# KiCad board nora.kicad_pcb (continued)
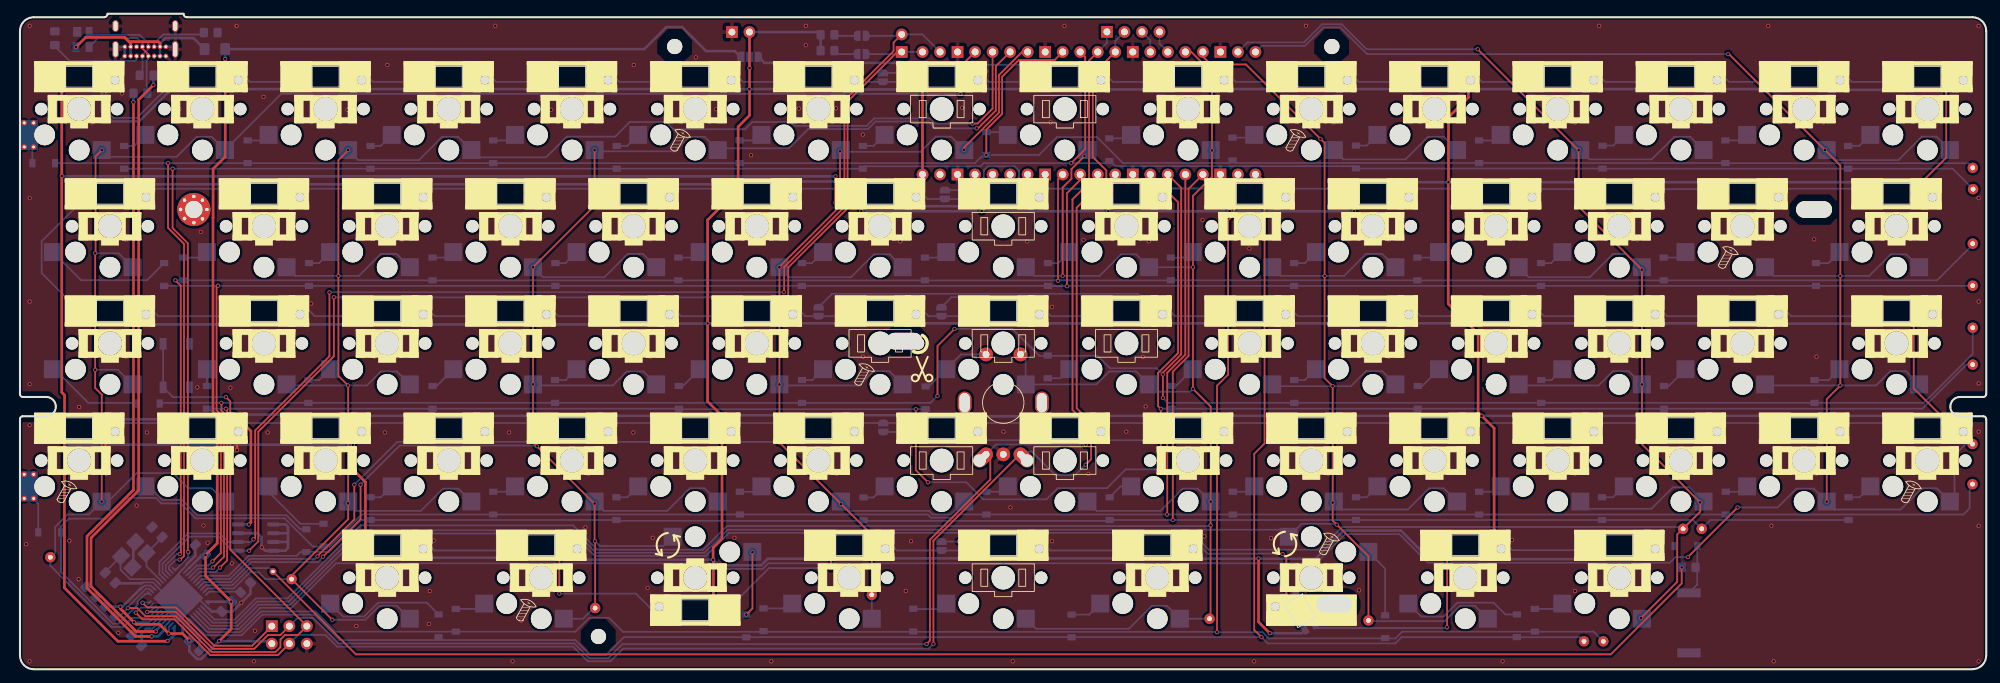
[diagram p0: board, top side]
## Placement (name value [footprint] x y rotation side) (continued)
SW_57  J  [Kailh-PG1350-1u-MBK-WithKeyName-Socket-1.8mm-hole-reflection]  196.1 47.27 0 top
SW_58  M  [Kailh-PG1350-1u-MBK-WithKeyName-Socket-1.8mm-hole-reflection]  205.03 30.27 0 top
SW_59  RALT  [Kailh-PG1350-1u-MBK-WithKeyName-Socket-1.8mm-hole-reflection]  209.5 13.27 0 top
SW_60  8  [Kailh-PG1350-1u-MBK-WithKeyName-Socket-1.8mm-hole-reflection]  222.89 81.27 0 top
SW_61  I  [Kailh-PG1350-1u-MBK-WithKeyName-Socket-1.8mm-hole-reflection]  213.96 64.27 0 top
SW_62  K  [Kailh-PG1350-1u-MBK-WithKeyName-Socket-1.8mm-hole-reflection]  213.96 47.27 0 top
SW_63  <  [Kailh-PG1350-1u-MBK-WithKeyName-Socket-1.8mm-hole-reflection]  222.89 30.27 0 top
SW_64  RGUI 1.5u  [Kailh-PG1350-1.5u-MBK-WithKeyName-Socket-1.8mm-hole-reflection]  231.82 13.27 0 top
SW_65  9  [Kailh-PG1350-1u-MBK-WithKeyName-Socket-1.8mm-hole-reflection]  240.75 81.27 0 top
SW_66  O  [Kailh-PG1350-1u-MBK-WithKeyName-Socket-1.8mm-hole-reflection]  231.82 64.27 0 top
SW_67  L  [Kailh-PG1350-1u-MBK-WithKeyName-Socket-1.8mm-hole-reflection]  231.82 47.27 0 top
SW_68  >  [Kailh-PG1350-1u-MBK-WithKeyName-Socket-1.8mm-hole-reflection]  240.75 30.27 0 top
SW_70  0  [Kailh-PG1350-1u-MBK-WithKeyName-Socket-1.8mm-hole-reflection]  258.61 81.27 0 top
SW_71  P  [Kailh-PG1350-1u-MBK-WithKeyName-Socket-1.8mm-hole-reflection]  249.68 64.27 0 top
SW_72  -  [Kailh-PG1350-1u-MBK-WithKeyName-Socket-1.8mm-hole-reflection]  249.68 47.27 0 top
SW_73  /  [Kailh-PG1350-1u-MBK-WithKeyName-Socket-1.8mm-hole-reflection]  258.61 30.27 0 top
SW_75  =  [Kailh-PG1350-1u-MBK-WithKeyName-Socket-1.8mm-hole-reflection]  276.47 81.27 0 top
SW_76  BS 1.5u  [Kailh-PG1350-1.5u-MBK-WithKeyName-Socket-1.8mm-hole-reflection]  272.01 64.27 0 top
SW_77  Enter 1.5u  [Kailh-PG1350-1.5u-MBK-WithKeyName-Socket-1.8mm-hole-reflection]  272.01 47.27 0 top
SW_78  RSFT  [Kailh-PG1350-1u-MBK-WithKeyName-Socket-1.8mm-hole-reflection]  276.47 30.27 0 top
U1  ATmega32U4-MU  [QFN-44-1EP_7x7mm_P0.5mm_EP5.15x5.15mm]  22.95 10.32 45 bottom
U2  24LC64  [SO-8_3.9x4.9mm_P1.27mm]  34.15 19.1 180 bottom
U4  Pico  [RPi_Pico_TH_no_NPTH_SWD_less_Silk_NoCrtYd]  154.95 80.67 270 bottom
Y1  16MHz  [Crystal_SMD_3225-4Pin_3.2x2.5mm_HandSoldering]  16.5 16.62 225 bottom

## Library data of the parts
C1 = -: LCSC: C15850
C2 C3 = -: LCSC: C1804
C4 C5 C7 = -: LCSC: C49678
C6 = -: LCSC: C28323
D1 D2 D4-D7 D9 D11-D23 D25-D33 D35-D68 D70-D73 D75-D78 D99 = -: LCSC: C81598
D10 = -: LCSC: C12333
F1 = -: LCSC: C70076
R1 R2 = -: LCSC: C27834
R3 R4 = -: LCSC: C17561
R5 R6 = -: LCSC: C17414
R7 = -: LCSC: C17513
R8 R9 = -: LCSC: C17673
SW_37 SW_47 = -: Field4: RE→×
U1 = -: Alternative LCSC: C45874; LCSC: C112161
U2 = -: Alternative LCSC: C6487, C116707, C13645; LCSC: C79988
U4 = -: Field4: Copper Keepouts shown on Dwgs layer
Y1 = -: LCSC: C13738

## Footprints (pads in the part's own frame, mm; a bottom-side part is the same pattern mirrored in y, then rotated)
60_Outline-TinyHole_No_Hole3
  oval 5.2x2.4 hole 5.2x2.4 unplated: (-14.3,0.3) (48,-37.9) (117.55,19.4)
  round 1 hole 0.5: 1(-119.2,19.4) 1(-118.65,20.75) 1(-118.65,18.1) 1(-117.3,21.3) 1(-117.3,17.5) 1(-116.05,20.75) 1(-116.05,18.05) 1(-115.4,19.4)
  round 4.8 hole 2.499: 1(-117.3,19.4)
Buzzer_Murata_PKMCS0909E4000-R1
  rect 1.3x3.4 smd: 1(-4.35,0) 2(4.35,0)
C_0805_2012Metric_Pad1.18x1.45mm_HandSolder
  rrect 1.175x1.45 smd: 1(-1.038,0) 2(1.038,0)
Crystal_SMD_3225-4Pin_3.2x2.5mm_HandSoldering
  rect 2.1x1.8 smd: 1(-1.45,-1.15) 2(1.45,-1.15) 3(1.45,1.15) 4(-1.45,1.15)
D_SOD-123-Pretty_No_Reference
  rect 0.9x1.2 smd: 1(-1.65,0) 2(1.65,0)
Fuse_1206_3216Metric_Pad1.42x1.75mm_HandSolder
  rrect 1.425x1.75 smd: 1(-1.488,0) 2(1.488,0)
Kailh-PG1350-1.5u-MBK-WithKeyName-Socket-1.8mm-hole-reflection
  round 1.8 hole 1.8 unplated: (-5.5,0) (5.5,0)
  round 3 hole 3 unplated: (-5,-3.75) (0,-5.95)
  round 3.4 hole 3.4 unplated: (0,0)
  round 1.2 hole 1.2 unplated: (5.22,4.2)
  rect 2.6x2.6 smd far side: 1(3.275,-5.95) 2(-8.275,-3.75)
Kailh-PG1350-1.5u-MBK-WithKeyName-Socket-1.8mm-hole-reflection-frame-only
  round 1.8 hole 1.8 unplated: (-5.5,0) (5.5,0)
  round 3 hole 3 unplated: (-5,-3.75) (0,-5.95)
  round 3.4 hole 3.4 unplated: (0,0)
  round 1.2 hole 1.2 unplated: (5.22,4.2)
  rect 2.6x2.6 smd far side: 1(3.275,-5.95) 2(-8.275,-3.75)
Kailh-PG1350-1u-MBK-WithKeyName-Socket-1.8mm-hole-reflection
  round 1.8 hole 1.8 unplated: (-5.5,0) (5.5,0)
  round 3 hole 3 unplated: (-5,-3.75) (0,-5.95)
  round 3.429 hole 3.429 unplated: (0,0)
  round 1.2 hole 1.2 unplated: (5.22,4.2)
  rect 2.6x2.6 smd far side: 1(3.275,-5.95) 2(-8.275,-3.75)
Kailh-PG1350-1u-MBK-WithKeyName-Socket-1.8mm-hole-reflection-cross-paint
  round 1.8 hole 1.8 unplated: (-5.5,0) (5.5,0)
  round 3 hole 3 unplated: (-5,-3.75) (0,-5.95)
  round 3.429 hole 3.429 unplated: (0,0)
  round 1.2 hole 1.2 unplated: (5.22,4.2)
  rect 2.6x2.6 smd far side: 1(3.275,-5.95) 2(-8.275,-3.75)
Kailh-PG1350-1u-MBK-WithKeyName-Socket-1.8mm-hole-reflection-frame-only
  round 1.8 hole 1.8 unplated: (-5.5,0) (5.5,0)
  round 3 hole 3 unplated: (-5,-3.75) (0,-5.95)
  round 3.429 hole 3.429 unplated: (0,0)
  round 1.2 hole 1.2 unplated: (5.22,4.2)
  rect 2.6x2.6 smd far side: 1(3.275,-5.95) 2(-8.275,-3.75)
Kailh-PG1350-1u-MBK-WithKeyName-Socket-1.8mm-hole-reflection-frame-only#2
  round 3 hole 3 unplated: (-5,-3.75) (0,-5.95)
  round 3.429 hole 3.429 unplated: (0,0)
  round 1.2 hole 1.2 unplated: (5.22,4.2)
  round 1.8 hole 1.8 unplated: (5.5,0)
  rect 2.6x2.6 smd far side: 1(3.275,-5.95) 2(-8.275,-3.75)
Kailh-PG1350-1u-MBK-WithKeyName-Socket-1.8mm-hole-reflection-frame-only#3
  round 1.8 hole 1.8 unplated: (-5.5,0)
  round 3 hole 3 unplated: (-5,-3.75) (0,-5.95)
  round 3.429 hole 3.429 unplated: (0,0)
  round 1.2 hole 1.2 unplated: (5.22,4.2)
  rect 2.6x2.6 smd far side: 1(3.275,-5.95) 2(-8.275,-3.75)
Kailh-PG1350-1u-MBK-WithKeyName-Socket-ForLeftEdge-1.8mm-hole-reflection
  round 1.8 hole 1.8 unplated: (-5.5,0) (5.5,0)
  round 3 hole 3 unplated: (-5,-3.75) (0,-5.95)
  round 3.4 hole 3.4 unplated: (0,0)
  round 1.2 hole 1.2 unplated: (5.22,4.2)
  rect 2.6x2.6 smd far side: 1(3.275,-5.95)
  round 0.8 hole 0.4: 2(-7.96,-1.998) 2(-7.96,-5.498) 2(-6.6,-2) 2(-6.6,-5.5)
  rect 2.1x2.6 smd far side: 2(-7.525,-3.75)
  rect 2.6x4.4 smd far side: 2(-7.275,-3.75)
MountingHole_2.2mm_M2
  round 2.2 hole 2.2 unplated: (0,0)
PinHeader_1x02_P2.54mm_Vertical
  rect 1.7x1.7 hole 1: 1(0,0)
  oval 1.7x1.7 hole 1: 2(0,-2.54)
PinHeader_1x04_P2.54mm_Vertical
  rect 1.7x1.7 hole 1: 1(0,0)
  oval 1.7x1.7 hole 1: 2(0,-2.54) 3(0,-5.08) 4(0,-7.62)
PinHeader_2x03_P2.54mm_Vertical
  rect 1.7x1.7 hole 1: 1(0,0)
  oval 1.7x1.7 hole 1: 2(2.54,0) 3(0,-2.54) 4(2.54,-2.54) 5(0,-5.08) 6(2.54,-5.08)
QFN-44-1EP_7x7mm_P0.5mm_EP5.15x5.15mm
  rrect 1.04x1.04 smd: (-1.935,-1.935) (-1.935,-0.645) (-1.935,0.645) (-1.935,1.935) (-0.645,-0.645) (-0.645,0.645) (-0.645,-1.935) (-0.645,1.935) (0.645,-1.935) (0.645,1.935) (0.645,-0.645) (0.645,0.645) (1.935,-1.935) (1.935,-0.645) (1.935,0.645) (1.935,1.935)
  rrect 0.875x0.25 smd: 1(-3.438,2.5) 2(-3.438,2) 3(-3.438,1.5) 4(-3.438,1) 5(-3.438,0.5) 6(-3.438,0) 7(-3.438,-0.5) 8(-3.438,-1) 9(-3.438,-1.5) 10(-3.438,-2) 11(-3.438,-2.5) 23(3.438,-2.5) 24(3.438,-2) 25(3.438,-1.5) 26(3.438,-1) 27(3.438,-0.5) 28(3.438,0) 29(3.438,0.5) 30(3.438,1) 31(3.438,1.5) 32(3.438,2) 33(3.438,2.5)
  rrect 0.25x0.875 smd: 12(-2.5,-3.438) 13(-2,-3.438) 14(-1.5,-3.438) 15(-1,-3.438) 16(-0.5,-3.438) 17(0,-3.438) 18(0.5,-3.438) 19(1,-3.438) 20(1.5,-3.438) 21(2,-3.438) 22(2.5,-3.438) 34(2.5,3.438) 35(2,3.438) 36(1.5,3.438) 37(1,3.438) 38(0.5,3.438) 39(0,3.438) 40(-0.5,3.438) 41(-1,3.438) 42(-1.5,3.438) 43(-2,3.438) 44(-2.5,3.438)
  rect 5.15x5.15 smd: 45(0,0)
R_0805_2012Metric_Pad1.20x1.40mm_HandSolder
  rrect 1.2x1.4 smd: 1(-1,0) 2(1,0)
RotaryEncoder_Alps_EC11E-Switch_Vertical_H20mm
  oval 3.2x2 hole 2.8x1.5: (0,5.6) (0,-5.6)
  round 2 hole 1.8: A(-8.4,3.43) B(-8.4,-3.44)
  oval 3x2 hole 2x1 rot 135: A(-7.85,2.84)
  oval 3x2 hole 2x1 rot 45: B(-7.85,-2.85)
  round 2 hole 1: C(-7.5,0) S1(7,-2.5) S2(7,2.5)
RPi_Pico_TH_no_NPTH_SWD_less_Silk_NoCrtYd
  oval 1.7x1.7 smd: (-2.54,-23.9) (2.54,-23.9)
  round 1.7 smd: (0,-23.9)
  oval 1.7x1.7 hole 1.02: 1(-8.89,24.13) 2(-8.89,21.59) 4(-8.89,16.51) 5(-8.89,13.97) 6(-8.89,11.43) 7(-8.89,8.89) 9(-8.89,3.81) 10(-8.89,1.27) 11(-8.89,-1.27) 12(-8.89,-3.81) 14(-8.89,-8.89) 15(-8.89,-11.43) 16(-8.89,-13.97) 17(-8.89,-16.51) 19(-8.89,-21.59) 20(-8.89,-24.13) 21(8.89,-24.13) 22(8.89,-21.59) 24(8.89,-16.51) 25(8.89,-13.97) 26(8.89,-11.43) 27(8.89,-8.89) 29(8.89,-3.81) 30(8.89,-1.27) 31(8.89,1.27) 32(8.89,3.81) 34(8.89,8.89) 35(8.89,11.43) 36(8.89,13.97) 37(8.89,16.51) 39(8.89,21.59) 40(8.89,24.13)
  rect 1.7x1.7 hole 1.02: 3(-8.89,19.05) 8(-8.89,6.35) 13(-8.89,-6.35) 18(-8.89,-19.05) 23(8.89,-19.05) 28(8.89,-6.35) 33(8.89,6.35) 38(8.89,19.05)
SO-8_3.9x4.9mm_P1.27mm
  rrect 1.75x0.6 smd: 1(-2.575,1.905) 2(-2.575,0.635) 3(-2.575,-0.635) 4(-2.575,-1.905) 5(2.575,-1.905) 6(2.575,-0.635) 7(2.575,0.635) 8(2.575,1.905)
SolderJumper-2_P1.3mm_Open_RoundedPad1.0x1.5mm
  custom 1x1.5 smd: 1(-0.65,0) 2(0.65,0)
SolderJumper-3_P1.3mm_Open_RoundedPad1.0x1.5mm
  custom 1.05x1.5 smd: 1(-1.3,0) 3(1.3,0)
  rect 1x1.5 smd: 2(0,0)
SOT-143
  rect 1.4x1.2 smd: 1(-1.1,0.77)
  rect 1.4x1 smd: 2(-1.1,-0.95) 3(1.1,-0.95) 4(1.1,0.95)
SW_SPST_TL3342
  rect 1.7x1 smd: 1(-3.15,1.9) 1(3.15,1.9) 2(-3.15,-1.9) 2(3.15,-1.9)
TestPoint_THTPad_D1.0mm_Drill0.5mm
  round 1 hole 0.5: 1(0,0)
TestPoint_THTPad_D1.5mm_Drill0.7mm
  round 1.5 hole 0.7: 1(0,0)
USB_C_Receptacle_GCT_USB4085
  round 0.7 hole 0.4: A1(0,0) A4(0.85,0) A5(1.7,0) A6(2.55,0) A7(3.4,0) A8(4.25,0) A9(5.1,0) A12(5.95,0) B1(5.95,-1.35) B4(5.1,-1.35) B5(4.25,-1.35) B6(3.4,-1.35) B7(2.55,-1.35) B8(1.7,-1.35) B9(0.85,-1.35) B12(0,-1.35)
  oval 0.9x1.7 hole 0.6x1.4: S1(-1.35,-4.36) S1(7.3,-4.36)
  oval 0.9x2.4 hole 0.6x2.1: S1(-1.35,-0.98) S1(7.3,-0.98)
YS-SK6812MINI-E_middle_hole_with_small_pad
  rect 1.431x0.82 smd: 1(2.7,0.75) 2(2.7,-0.75) 3(-2.7,-0.75) 4(-2.7,0.75)
YS-SK6812MINI-E_middle_hole_with_small_pad_frame
  rect 1.431x0.82 smd: 1(2.7,0.75) 2(2.7,-0.75) 3(-2.7,-0.75) 4(-2.7,0.75)
YS-SK6812MINI-E_middle_hole_with_small_pad_reserved
  rect 1.431x0.82 smd: 1(2.7,0.75) 2(2.7,-0.75) 3(-2.7,-0.75) 4(-2.7,0.75)

## Nets
+5V: C1.2 C4.2 C5.2 C7.2 F1.1 J5.2 JP3.3 R5.1 U1.2 U1.7 U1.14 U1.24 U1.34 U1.44
+5V_Source: J4.2 JP3.2 L1.1 L2.1 L3.1 L4.1 L5.1 L6.1 L7.1 L8.1 L9.1 L10.1 L11.1 L12.1 L13.1 L14.1 L15.1 L16.1 L17.1 L18.1 L19.1 L20.1 L21.1 L22.1 L23.1 L24.1 L25.1 L26.1 L27.1 L28.1 L29.1 L30.1 L31.1 L32.1 L33.1 L34.1 L35.1 L36.1 L37.1 L38.1 L39.1 L40.1 L41.1 L42.1 L43.1 L44.1 L45.1 L46.1 L47.1 L48.1 L49.1 L50.1 L51.1 L52.1 L53.1 L54.1 L55.1 L56.1 L57.1 L58.1 L59.1 L60.1 L61.1 L62.1 L63.1 L64.1 L65.1 L66.1 L67.1 L68.1 L69.1 L70.1 L71.1 R8.1 R9.1 U2.8
GND: C1.1 C2.2 C3.2 C4.1 C5.1 C6.2 C7.1 D10.1 D99.2 J1.A1 J1.A12 J1.B1 J1.B12 J1.S1 J4.1 J5.6 L1.3 L2.3 L3.3 L4.3 L5.3 L6.3 L7.3 L8.3 L9.3 L10.3 L11.3 L12.3 L13.3 L14.3 L15.3 L16.3 L17.3 L18.3 L19.3 L20.3 L21.3 L22.3 L23.3 L24.3 L25.3 L26.3 L27.3 L28.3 L29.3 L30.3 L31.3 L32.3 L33.3 L34.3 L35.3 L36.3 L37.3 L38.3 L39.3 L40.3 L41.3 L42.3 L43.3 L44.3 L45.3 L46.3 L47.3 L48.3 L49.3 L50.3 L51.3 L52.3 L53.3 L54.3 L55.3 L56.3 L57.3 L58.3 L59.3 L60.3 L61.3 L62.3 L63.3 L64.3 L65.3 L66.3 L67.3 L68.3 L69.3 L70.3 L71.3 LS1.1 R1.1 R2.1 R6.1 RE_42.C ResetSW1.1 U1.5 U1.15 U1.23 U1.35 U1.43 U1.45 U2.1 U2.2 U2.3 U2.4 U2.7 U4.3 U4.8 U4.13 U4.18 U4.23 U4.28 U4.38 Y1.2 Y1.4
VCC: D10.4 F1.2 J1.A4 J1.A9 J1.B4 J1.B9
Audio_C6: Ext_AUDIO_PC6.1 R7.1 U1.31
col0: EXT_C0.1 SW_1.1 SW_3.1 SW_5.1 SW_6.1 SW_7.1 SW_8.1 U1.8 U4.4
col1: EXT_C1.1 SW_10.1 SW_11.1 SW_12.1 SW_13.1 SW_15.1 SW_16.1 SW_17.1 SW_18.1 SW_19.1 U1.32 U4.5
col2: EXT_C2.1 SW_20.1 SW_21.1 SW_22.1 SW_23.1 SW_24.1 SW_25.1 SW_26.1 SW_27.1 SW_28.1 SW_29.1 U1.30 U4.6
col3: EXT_C3.1 SW_30.1 SW_31.1 SW_32.1 SW_33.1 SW_35.1 SW_36.1 SW_37.1 SW_38.1 SW_39.1 U1.29 U4.7
col5: EXT_C5.1 SW_50.1 SW_51.1 SW_52.1 SW_53.1 SW_54.1 SW_55.1 SW_56.1 SW_57.1 SW_58.1 SW_59.1 U1.37 U4.17
col6: EXT_C6.1 SW_60.1 SW_61.1 SW_62.1 SW_63.1 SW_64.1 SW_65.1 SW_66.1 SW_67.1 SW_68.1 U1.38 U4.19
col7: EXT_C7.1 SW_70.1 SW_71.1 SW_72.1 SW_73.1 SW_75.1 SW_76.1 SW_77.1 SW_78.1 U1.39 U4.20
D+: R3.1 U1.4
D-: R4.1 U1.3
LED: L1.4 U1.1 U4.34
MISO: J5.1 U1.11
PICO_10: J2.3 U4.14
PICO_11: J2.4 U4.15
PICO_VBUS: JP3.1 U4.40
RE1_S1: EXT_C4.1 RE_42.S1 SW_40.1 SW_41.1 SW_42.1 SW_43.1 SW_44.1 SW_45.1 SW_46.1 SW_47.1 SW_48.1 SW_49.1 U1.36 U4.16
RE1_S2: D42.2 RE_42.S2 SW_42.2
RE1A_SCK: J2.1 J5.3 RE_42.A U1.9 U4.11
RE1B_MOSI: J2.2 J5.4 RE_42.B U1.10 U4.12
RESET: J5.5 R5.2 ResetSW1.2 U1.13
row0: D1.1 D9.1 D20.1 D30.1 D40.1 D50.1 D60.1 D70.1 EXT_R0.1 U1.21 U4.9
row1: D11.1 D21.1 D31.1 D41.1 D51.1 D61.1 D71.1 EXT_R1.1 U1.20 U4.32
row2: D12.1 D22.1 D32.1 D42.1 D52.1 D62.1 D72.1 EXT_R2.1 U1.27 U4.27
row3: D2.1 D13.1 D23.1 D33.1 D43.1 D53.1 D63.1 D73.1 EXT_R3.1 U1.12 U4.25
row4: D14.1 D39.1 D44.1 D54.1 D64.1 EXT_R4.1 U1.40 U4.22
row5: D4.1 D15.1 D25.1 D35.1 D45.1 D55.1 D65.1 D75.1 EXT_R5.1 U1.22 U4.10
row6: D5.1 D16.1 D26.1 D36.1 D46.1 D56.1 D66.1 D76.1 EXT_R6.1 U1.25 U4.31
row7: D6.1 D17.1 D27.1 D37.1 D47.1 D57.1 D67.1 D77.1 EXT_R7.1 U1.26 U4.26
row8: D7.1 D18.1 D28.1 D38.1 D48.1 D58.1 D68.1 D78.1 EXT_R8.1 U1.28 U4.24
row9: D19.1 D29.1 D49.1 D59.1 EXT_R9.1 U1.41 U4.21
SCL: J3.2 JP2.2 U1.18 U2.6 U4.2
SDA: J3.1 JP1.2 U1.19 U2.5 U4.1
Skip_R1C: JP4.2 L9.2 L10.4
Skip_R2C: JP5.2 L24.2 L25.4
Skip_R3C: JP7.2 L39.2 L40.4
Skip_R3RE: JP6.2 L40.2 L41.4
Skip_R4C: JP8.2 L55.2 L56.4
Skip_R5C: JP9.2 L67.2 L68.4
Net-(C2-Pad1): C2.1 U1.17 Y1.1
Net-(C3-Pad1): C3.1 U1.16 Y1.3
Net-(C6-Pad1): C6.1 U1.6
Net-(D1-Pad2): D1.2 SW_1.2
Net-(D2-Pad2): D2.2 SW_3.2
Net-(D4-Pad2): D4.2 SW_5.2
Net-(D5-Pad2): D5.2 SW_6.2
Net-(D6-Pad2): D6.2 SW_7.2
Net-(D7-Pad2): D7.2 SW_8.2
Net-(D9-Pad2): D9.2 SW_10.2
Net-(D10-Pad2): D10.2 J1.A6 J1.B6 R3.2
Net-(D10-Pad3): D10.3 J1.A7 J1.B7 R4.2
Net-(D11-Pad2): D11.2 SW_11.2
Net-(D12-Pad2): D12.2 SW_12.2
Net-(D13-Pad2): D13.2 SW_13.2
Net-(D14-Pad2): D14.2 SW_24.2
Net-(D15-Pad2): D15.2 SW_15.2
Net-(D16-Pad2): D16.2 SW_16.2
Net-(D17-Pad2): D17.2 SW_17.2
Net-(D18-Pad2): D18.2 SW_18.2
Net-(D19-Pad2): D19.2 SW_19.2
Net-(D20-Pad2): D20.2 SW_20.2
Net-(D21-Pad2): D21.2 SW_21.2
Net-(D22-Pad2): D22.2 SW_22.2
Net-(D23-Pad2): D23.2 SW_23.2
Net-(D25-Pad2): D25.2 SW_25.2
Net-(D26-Pad2): D26.2 SW_26.2
Net-(D27-Pad2): D27.2 SW_27.2
Net-(D28-Pad2): D28.2 SW_28.2
Net-(D29-Pad2): D29.2 SW_29.2
Net-(D30-Pad2): D30.2 SW_30.2
Net-(D31-Pad2): D31.2 SW_31.2
Net-(D32-Pad2): D32.2 SW_32.2
Net-(D33-Pad2): D33.2 SW_33.2
Net-(D35-Pad2): D35.2 SW_35.2
Net-(D36-Pad2): D36.2 SW_36.2
Net-(D37-Pad2): D37.2 SW_37.2
Net-(D38-Pad2): D38.2 SW_38.2
Net-(D39-Pad2): D39.2 SW_39.2
Net-(D40-Pad2): D40.2 SW_40.2
Net-(D41-Pad2): D41.2 SW_41.2
Net-(D43-Pad2): D43.2 SW_43.2
Net-(D44-Pad2): D44.2 SW_44.2
Net-(D45-Pad2): D45.2 SW_45.2
Net-(D46-Pad2): D46.2 SW_46.2
Net-(D47-Pad2): D47.2 SW_47.2
Net-(D48-Pad2): D48.2 SW_48.2
Net-(D49-Pad2): D49.2 SW_49.2
Net-(D50-Pad2): D50.2 SW_50.2
Net-(D51-Pad2): D51.2 SW_51.2
Net-(D52-Pad2): D52.2 SW_52.2
Net-(D53-Pad2): D53.2 SW_53.2
Net-(D54-Pad2): D54.2 SW_54.2
Net-(D55-Pad2): D55.2 SW_55.2
Net-(D56-Pad2): D56.2 SW_56.2
Net-(D57-Pad2): D57.2 SW_57.2
Net-(D58-Pad2): D58.2 SW_58.2
Net-(D59-Pad2): D59.2 SW_59.2
Net-(D60-Pad2): D60.2 SW_60.2
Net-(D61-Pad2): D61.2 SW_61.2
Net-(D62-Pad2): D62.2 SW_62.2
Net-(D63-Pad2): D63.2 SW_63.2
Net-(D64-Pad2): D64.2 SW_64.2
Net-(D65-Pad2): D65.2 SW_65.2
Net-(D66-Pad2): D66.2 SW_66.2
Net-(D67-Pad2): D67.2 SW_67.2
Net-(D68-Pad2): D68.2 SW_68.2
Net-(D70-Pad2): D70.2 SW_70.2
Net-(D71-Pad2): D71.2 SW_71.2
Net-(D72-Pad2): D72.2 SW_72.2
Net-(D73-Pad2): D73.2 SW_73.2
Net-(D75-Pad2): D75.2 SW_75.2
Net-(D76-Pad2): D76.2 SW_76.2
Net-(D77-Pad2): D77.2 SW_77.2
Net-(D78-Pad2): D78.2 SW_78.2
Net-(D99-Pad1): D99.1 LS1.2 R7.2
Net-(J1-PadA5): J1.A5 R2.2
Net-(J1-PadB5): J1.B5 R1.2
Net-(JP1-Pad1): JP1.1 R8.2
Net-(JP2-Pad1): JP2.1 R9.2
Net-(JP4-Pad1): JP4.1 L7.2 L8.4
Net-(JP5-Pad1): JP5.1 L23.2 L24.4
Net-(JP6-Pad1): JP6.1 L37.2 L38.4
Net-(JP7-Pad1): JP7.1 L38.2 L39.4
Net-(JP8-Pad1): JP8.1 L53.2 L54.4
Net-(JP9-Pad1): JP9.1 L66.2 L67.4
Net-(L1-Pad2): L1.2 L2.4
Net-(L2-Pad2): L2.2 L3.4
Net-(L3-Pad2): L3.2 L4.4
Net-(L4-Pad2): L4.2 L5.4
Net-(L5-Pad2): L5.2 L6.4
Net-(L6-Pad2): L6.2 L7.4
Net-(L8-Pad2): L8.2 L9.4
Net-(L10-Pad2): L10.2 L11.4
Net-(L11-Pad2): L11.2 L12.4
Net-(L12-Pad2): L12.2 L13.4
Net-(L13-Pad2): L13.2 L14.4
Net-(L14-Pad2): L14.2 L15.4
Net-(L15-Pad2): L15.2 L16.4
Net-(L16-Pad2): L16.2 L17.4
Net-(L17-Pad2): L17.2 L18.4
Net-(L18-Pad2): L18.2 L19.4
Net-(L19-Pad2): L19.2 L20.4
Net-(L20-Pad2): L20.2 L21.4
Net-(L21-Pad2): L21.2 L22.4
Net-(L22-Pad2): L22.2 L23.4
Net-(L25-Pad2): L25.2 L26.4
Net-(L26-Pad2): L26.2 L27.4
Net-(L27-Pad2): L27.2 L28.4
Net-(L28-Pad2): L28.2 L29.4
Net-(L29-Pad2): L29.2 L30.4
Net-(L30-Pad2): L30.2 L31.4
Net-(L31-Pad2): L31.2 L32.4
Net-(L32-Pad2): L32.2 L33.4
Net-(L33-Pad2): L33.2 L34.4
Net-(L34-Pad2): L34.2 L35.4
Net-(L35-Pad2): L35.2 L36.4
Net-(L36-Pad2): L36.2 L37.4
Net-(L41-Pad2): L41.2 L42.4
Net-(L42-Pad2): L42.2 L43.4
Net-(L43-Pad2): L43.2 L44.4
Net-(L44-Pad2): L44.2 L45.4
Net-(L45-Pad2): L45.2 L46.4
Net-(L46-Pad2): L46.2 L47.4
Net-(L47-Pad2): L47.2 L48.4
Net-(L48-Pad2): L48.2 L49.4
Net-(L49-Pad2): L49.2 L50.4
Net-(L50-Pad2): L50.2 L51.4
Net-(L51-Pad2): L51.2 L52.4
Net-(L52-Pad2): L52.2 L53.4
Net-(L54-Pad2): L54.2 L55.4
Net-(L56-Pad2): L56.2 L57.4
Net-(L57-Pad2): L57.2 L58.4
Net-(L58-Pad2): L58.2 L59.4
Net-(L59-Pad2): L59.2 L60.4
Net-(L60-Pad2): L60.2 L61.4
Net-(L61-Pad2): L61.2 L62.4
Net-(L62-Pad2): L62.2 L63.4
Net-(L63-Pad2): L63.2 L64.4
Net-(L64-Pad2): L64.2 L65.4
Net-(L65-Pad2): L65.2 L66.4
Net-(L68-Pad2): L68.2 L69.4
Net-(L69-Pad2): L69.2 L70.4
Net-(L70-Pad2): L70.2 L71.4
Net-(R6-Pad2): R6.2 U1.33

Pads without a net: J1 A8 B8; L71 2; REF** 1; U1 42; U4 29 30 33 35 36 37 39

## Via types
v1: diameter 0.6, hole 0.4, Top to Bottom, 316 vias

## Routing (per net, layer and track width the routed paths; a pad name or vN(x,y) marks a point on that pad's centre or on a via; arc(x,y) is an arc through that point)
+5V: length 222.5
  Top w0.381: v1(28.86,4.07) 30.62,5.83 v1(30.62,9.81) 26.9,13.52 26.9,16.5 ; v1(29.75,88.55) 29.75,74.36 27.99,72.61 27.99,65.54 27.97,65.52 27.97,37.36 28.59,36.75 28.59,31.17 28.59,31.17 28.59,29.56 28.59,29.56 28.59,18.27 v1(26.88,16.57) ; v1(24.56,4.17) 23.56,5.17 v1(21.56,5.17) 20.22,6.51 16.84,6.51 v1(16.54,6.81) 14.56,8.79 v1(14.56,9.07)
  Bottom w0.254: v1(16.54,6.81) 18.73,6.81 20.19,8.27 ; 19.49,11.67 19.42,11.67 18.94,12.15 18.09,12.15 17.41,11.47 ; 23.9,14.1 24.25,14.46 24.26,14.46 24.5,14.7 ; 21.96,6.51 21.56,6.11 v1(21.56,5.17)
  Bottom w0.381: 17.66,11.87 14.86,9.07 v1(14.56,9.07) 12.48,9.07 R5.1 C7.2 ; 23.59,6.12 23.59,5.15 v1(24.56,4.17) 24.55,4.17 C1.2 24.55,2.59 25.65,1.48 26.27,1.48 v1(28.86,4.07) 36.14,4.07 J5.2 ; 24.5,14.7 24.53,14.7 26.4,16.57 v1(26.88,16.57) ; v1(29.75,88.55) 29.74,88.56 F1.1 90.49,89.97 93.69,93.17 95.98,93.17 99.48,89.67 103.62,89.67 JP3.3 ; v1(30.62,9.81) 27.24,9.81 27.14,9.7 ; 11.3,10.25 11.93,9.62
+5V_Source: length 1551.8
  Top w0.381: v1(100.51,7.82) 100.51,15.83 v1(100.47,15.87) 100.47,17.64 101.76,18.92 v1(101.76,36.77) ; 101.77,36.74 99.67,38.84 v1(99.67,50.17) 99.67,65.19 104.1,69.62 104.1,78.72 105.75,80.37 105.75,84.15 v1(105.72,84.17) 105.75,84.2 v1(105.75,87.2) 105.74,87.21 J4.2 ; v1(209.94,84.18) 209.94,82.95 207.06,80.07 v1(207.06,70.66) 207.02,70.63 207.02,53.01 v1(209.85,50.18) 211.36,48.67 211.36,37.27 v1(211.87,36.76) 213.68,34.96 213.68,17.04 213.69,17.03 v1(213.69,16.6) ; v1(33.17,21) 33.47,21.3 33.47,34.57 31.11,36.92 v1(31.11,36.95) ; v1(157.76,69.75) v1(157.76,66.45) ; v1(139.4,66.45) 139.91,66.96 v1(139.91,69.72) ; v1(175.33,69.75) 175.36,69.72 175.36,66.5 v1(175.33,66.47) ; v1(179.53,16.07) 179.53,6.85 v1(181.16,5.22) ; v1(121.97,69.72) 121.97,66.44 ; v1(193.36,69.72) v1(193.36,66.47)
  Bottom w0.381: v1(193.36,66.47) 193.34,66.45 175.36,66.45 v1(175.33,66.47) 175.31,66.45 v1(139.4,66.45) 121.98,66.45 ; 6.07,35.72 6.07,36.42 6.58,36.93 12.12,36.93 12.8,36.25 22.19,36.25 22.71,35.72 23.93,35.72 23.93,36.52 24.37,36.95 v1(31.11,36.95) 39.34,36.95 40.56,35.72 41.66,35.72 41.66,36.52 41.91,36.76 57.42,36.76 58.46,35.72 59.52,35.72 59.52,36.52 59.76,36.76 75.26,36.76 76.3,35.72 77.37,35.72 77.37,36.52 77.62,36.76 93.07,36.76 94.11,35.72 95.23,35.72 95.23,36.52 95.57,36.85 101.66,36.85 101.77,36.74 101.87,36.84 110.99,36.84 112.11,35.72 113.09,35.72 113.09,36.52 113.43,36.85 128.78,36.85 129.91,35.72 130.82,35.72 130.82,36.45 131.06,36.68 146.75,36.68 147.71,35.72 148.71,35.72 148.71,36.55 148.93,36.76 164.57,36.76 165.61,35.72 L53.1 166.61,36.52 166.86,36.76 182.32,36.76 183.36,35.72 L52.1 184.47,36.52 184.72,36.76 200.22,36.76 201.26,35.72 L51.1 202.33,36.52 202.58,36.76 218.12,36.76 219.16,35.72 L50.1 220.19,36.09 220.86,36.76 235.92,36.76 236.96,35.72 L49.1 238.05,36.09 238.72,36.76 253.92,36.76 254.96,35.72 L48.1 255.91,36.09 256.58,36.76 271.62,36.76 272.66,35.72 273.97,35.72 ; L1.1 11.86,84.64 11.86,80.95 13.34,79.48 17.26,79.48 19.6,81.81 19.6,81.83 21.72,83.95 28.59,83.95 29.07,84.43 29.07,85.22 30.33,85.22 31.37,84.18 46.68,84.18 46.93,84.43 46.93,85.22 48.23,85.22 49.27,84.18 64.54,84.18 64.79,84.43 64.79,85.22 66.03,85.22 67.07,84.18 82.4,84.18 82.65,84.43 82.65,85.22 83.73,85.22 84.77,84.18 100.26,84.18 100.51,84.43 100.51,85.22 101.7,85.22 102.75,84.17 v1(105.72,84.17) 118.11,84.17 118.37,84.43 118.37,85.22 119.72,85.22 120.83,84.12 135.78,84.12 136.1,84.43 136.1,85.22 137.52,85.22 138.56,84.18 153.71,84.18 153.95,84.43 153.95,85.22 155.32,85.22 156.43,84.12 171.63,84.12 171.95,84.43 171.95,85.22 173.2,85.22 174.24,84.18 189.56,84.18 189.81,84.43 189.81,85.22 191,85.22 192.04,84.18 207.42,84.18 207.67,84.43 207.67,85.22 208.9,85.22 v1(209.94,84.18) 225.27,84.18 225.52,84.43 225.52,85.22 226.8,85.22 227.84,84.18 243.13,84.18 243.38,84.43 243.38,85.22 244.6,85.22 245.64,84.18 260.99,84.18 261.24,84.43 261.24,85.22 262.61,85.22 263.77,84.07 278.6,84.07 278.97,84.43 278.97,85.22 ; 186.26,5.67 185.81,5.22 v1(181.16,5.22) ; v1(33.17,21) 33.16,21 U2.8 ; v1(193.36,69.72) 193.36,70.08 193.95,70.66 v1(207.06,70.66) 209.27,70.66 210.21,69.72 L20.1 211.26,70.27 211.65,70.66 227,70.66 227.94,69.72 L19.1 229.12,70.23 229.55,70.66 244.74,70.66 245.68,69.72 L18.1 246.98,70.29 247.35,70.66 267.34,70.66 268.28,69.72 269.5,69.72 ; 10.54,69.72 10.54,70.32 11.15,70.93 16.62,70.93 17.2,70.35 30.4,70.35 31.03,69.72 32.86,69.72 32.86,70.32 33.48,70.93 39.02,70.93 39.6,70.35 48.2,70.35 48.83,69.72 50.72,69.72 50.72,70.32 51.34,70.93 56.62,70.93 57.2,70.35 66,70.35 66.63,69.72 68.58,69.72 68.58,70.32 69.19,70.93 74.62,70.93 75.2,70.35 84.2,70.35 84.83,69.72 86.44,69.72 86.44,70.32 87.05,70.93 92.62,70.93 93.2,70.35 102.2,70.35 102.83,69.72 L26.1 104.1,70.52 104.35,70.76 119.61,70.76 120.66,69.72 L25.1 ; v1(105.75,87.2) JP3.2 105.75,92.44 J4.2 115.65,92.45 R9.1 R8.1 ; 274.5,51.22 274.5,50.43 274.21,50.14 254.59,50.14 253.51,51.22 252.31,51.22 ; 234.46,17.22 234.46,16.43 234,15.97 214.32,15.97 v1(213.69,16.6) 213.07,17.22 212.14,17.22 212.14,16.43 211.68,15.97 204.3,15.97 200.15,20.12 191.88,20.12 187.78,16.03 169.91,16.03 168.71,17.22 L68.1 167.54,16.43 167.19,16.07 147.67,16.07 146.52,17.22 L67.1 145.22,16.43 144.86,16.07 125.35,16.07 124.2,17.22 L66.1 122.9,16.43 122.5,16.03 108.39,16.03 107.44,15.07 101.27,15.07 v1(100.47,15.87) 100.46,15.89 80.65,15.89 79.31,17.22 L64.1 78.25,16.67 77.76,16.17 58.16,16.17 57.11,17.22 55.87,17.22 ; 252.18,51.22 252.18,50.43 251.92,50.17 236.87,50.17 235.82,51.22 234.45,51.22 234.45,50.43 234.2,50.18 218.76,50.18 217.72,51.22 216.59,51.22 216.59,50.43 216.35,50.18 200.96,50.18 199.92,51.22 198.74,51.22 198.74,50.43 198.48,50.17 183.07,50.17 182.02,51.22 180.88,51.22 180.88,50.43 180.63,50.18 165.36,50.18 164.32,51.22 163.02,51.22 163.02,50.43 162.76,50.17 147.37,50.17 146.32,51.22 145.22,51.22 145.22,50.64 144.76,50.17 129.57,50.17 128.52,51.22 127.3,51.22 127.3,50.43 127.05,50.18 111.85,50.18 110.81,51.22 109.44,51.22 109.44,50.43 109.18,50.17 v1(99.67,50.17) 99.65,50.15 93.9,50.15 92.82,51.22 91.58,51.22 91.58,50.57 91.03,50.02 76.23,50.02 75.03,51.22 73.58,51.22 73.58,50.43 73.17,50.02 58.33,50.02 57.13,51.22 55.72,51.22 55.72,50.63 55.11,50.02 40.51,50.02 39.31,51.22 37.86,51.22 37.86,50.43 37.45,50.02 18.13,50.02 16.93,51.22 15.54,51.22
  vias: v1(104.11,69.67) v1(121.96,66.47)
GND: length 82.1
  Top w0.381: v1(31.46,31.77) v1(31.46,33.27) ; v1(12.48,28.37) 12.4,28.46 12.4,34.15 v1(12.48,34.23)
  Bottom w0.254: 24.1,15.15 24.1,15.04 23.13,14.07 23.13,14 22.95,13.82 22.95,13.06 ; 22.95,7.59 22.95,7.5 24.4,6.05 24.4,6.05 ; 18.34,5.9 19.21,5.9 20.92,7.61 ; 21.13,11.23 20.63,11.23 19.26,12.6 17.65,12.6 ; 14,12.36 C3.2 ; 22.04,8.5 21.84,8.5 20.56,7.23 ; 25.68,10.32 25.78,10.32 27.2,8.9 27.26,8.9
  Bottom w0.381: 27.26,8.9 27.79,8.37 C5.1 30.8,8.37 v1(32.09,9.66) 33.41,10.98 R6.1 ; 18.28,5.84 18.34,5.84 ; 18.28,5.84 18.91,5.84 ; 18.28,5.84 17.63,5.19 C6.2 ; 28.93,34.22 29.88,33.27 v1(31.46,33.27) ; Y1.4 16.43,18.18 16.43,14.93 Y1.2 ; 38.85,19.75 38.85,20.65 38.5,21 U2.1 ; 38.85,19.75 38.85,18.35 ; 38.85,19.75 38.84,19.73 36.73,19.73 ; C4.1 25.42,16.47 24.1,15.15 ; 38.85,18.35 38.85,17.6 38.45,17.19 U2.4 35.56,17.19 35,17.75 35,19.15 34.42,19.73 31.58,19.73 ; 38.85,18.35 38.74,18.46 U2.3 ; J1.B1 22.13,90.31 J1.S1 ; 11.22,34.23 v1(12.48,34.23) ; 24.4,6.05 26,4.45 26,2.65 ; J1.S1 14.22,90.31 J1.B12 J1.A1 ; v1(48.36,16.87) 50.21,18.72 L63.3 ; 17.74,12.54 17.66,12.46 13.9,12.46 C3.2
  vias: v1(0.9,18.15) v1(1.4,93.35) v1(1.4,68.35) v1(1.4,53.35) v1(1.4,41.35) v1(1.4,35.4) v1(1.4,1.15) v1(7.15,18.65) v1(8.5,13.05) v1(8.6,38.05) v1(8.8,70.45) v1(10.4,79.35) v1(14.26,5.27) v1(14.8,83.55) v1(15.4,62.35) v1(15.4,45.35) v1(16.9,23.75) v1(18.4,34.35) v1(21.26,86.47) v1(23.1,81.25) v1(25.7,40.9) v1(26.2,63.45) v1(26.6,20.85) v1(27.2,18.35) v1(30.5,40.85) v1(30.7,15.35) v1(31.4,93.35) v1(33.9,1.15) v1(34.06,5.57) v1(35.06,17.67) v1(35.3,83.05) v1(35.9,34.35) v1(42.2,53.05) v1(46.4,28.35) v1(46.75,34.2) v1(47.46,81.17) v1(48.76,6.27) v1(51.4,45.35) v1(52.9,34.35) v1(53.26,87.67) v1(55.4,62.35) v1(59.26,6.57) v1(59.4,11.35) v1(59.5,53.05) v1(59.97,18.67) v1(64.65,34.2) v1(68.9,93.35) v1(70.47,18.67) v1(70.9,34.35) v1(71.4,1.15) v1(72.66,7.07) v1(76.96,81.17) v1(77.4,53.05) v1(81.96,20.57) v1(82.4,28.35) v1(82.5,34.2) v1(88.9,34.35) v1(88.96,87.67) v1(90.97,11.78) v1(91.4,62.35) v1(91.4,45.35) v1(91.71,19.07) v1(95.2,53.05) v1(97.96,88.77) v1(100.9,81.25) v1(101.07,34.26) v1(103.56,19.07) v1(105.96,74.57) v1(108.9,1.15) v1(109.46,86.77) v1(112.9,81.35) v1(113,53.95) v1(113.9,93.35) v1(113.9,90.55) v1(115.27,18.67) v1(118.26,81.37) v1(118.4,28.35) v1(121.96,52.72) v1(122.16,77.57) v1(122.16,45.35) v1(127.15,68.2) v1(127.61,62.07) v1(128.4,11.35) v1(129.16,18.57) v1(130.96,86.72) v1(136.26,34.17) v1(136.56,81.47) v1(139.86,52.67) v1(139.91,18.72) v1(140.06,86.77) v1(142.56,34.47) v1(143.56,23.47) v1(143.9,1.15) v1(145.11,68.22) v1(146.01,62.07) v1(148.91,86.72) v1(149.4,79.35) v1(149.56,52.57) v1(149.56,18.57) v1(151.4,93.35) v1(154.11,34.17) v1(154.16,62.27) v1(154.86,28.36) v1(155.36,67.67) v1(160.07,18.57) v1(160.36,34.47) v1(162.76,45.32) v1(163.16,38.12) v1(163.4,68.25) v1(163.61,62.07) v1(166.26,53.52) v1(167.17,11.37) v1(171.41,65.17) v1(171.67,19.27) v1(178.2,61.05) v1(178.9,1.15) v1(181.3,68.25) v1(181.36,19) v1(186.4,93.35) v1(189.64,28.35) v1(190.4,79.35) v1(191.3,68.25) v1(194.1,11.45) v1(198.4,62.35) v1(198.4,45.35) v1(203.37,18.87) v1(214.9,1.15) v1(216.27,18.77) v1(225.4,79.35) v1(225.4,28.35) v1(225.4,11.35) v1(227.47,18.77) v1(228.9,93.35) v1(234.4,62.35) v1(234.4,45.35) v1(253.4,93.35) v1(253.86,20.82) v1(254.2,1.15) v1(260.06,62.37) v1(260.4,45.35) v1(260.4,28.35) v1(261.4,79.35) v1(283.9,93.35) v1(283.9,68.35) v1(283.9,53.35) v1(283.9,41.47) v1(283.9,34.47) v1(283.9,20.8) v1(283.9,1.15)
